# Altium PCB R3D900.PcbDoc
Units mil, origin at the board's own origin, x right, y up, seen from the top; angles counter-clockwise.
Board outline 3947.04 x 3947.04 mil, 2 copper layers (Top Layer, Bottom Layer); 111 components, 81 nets, 470 pads, 118 vias.
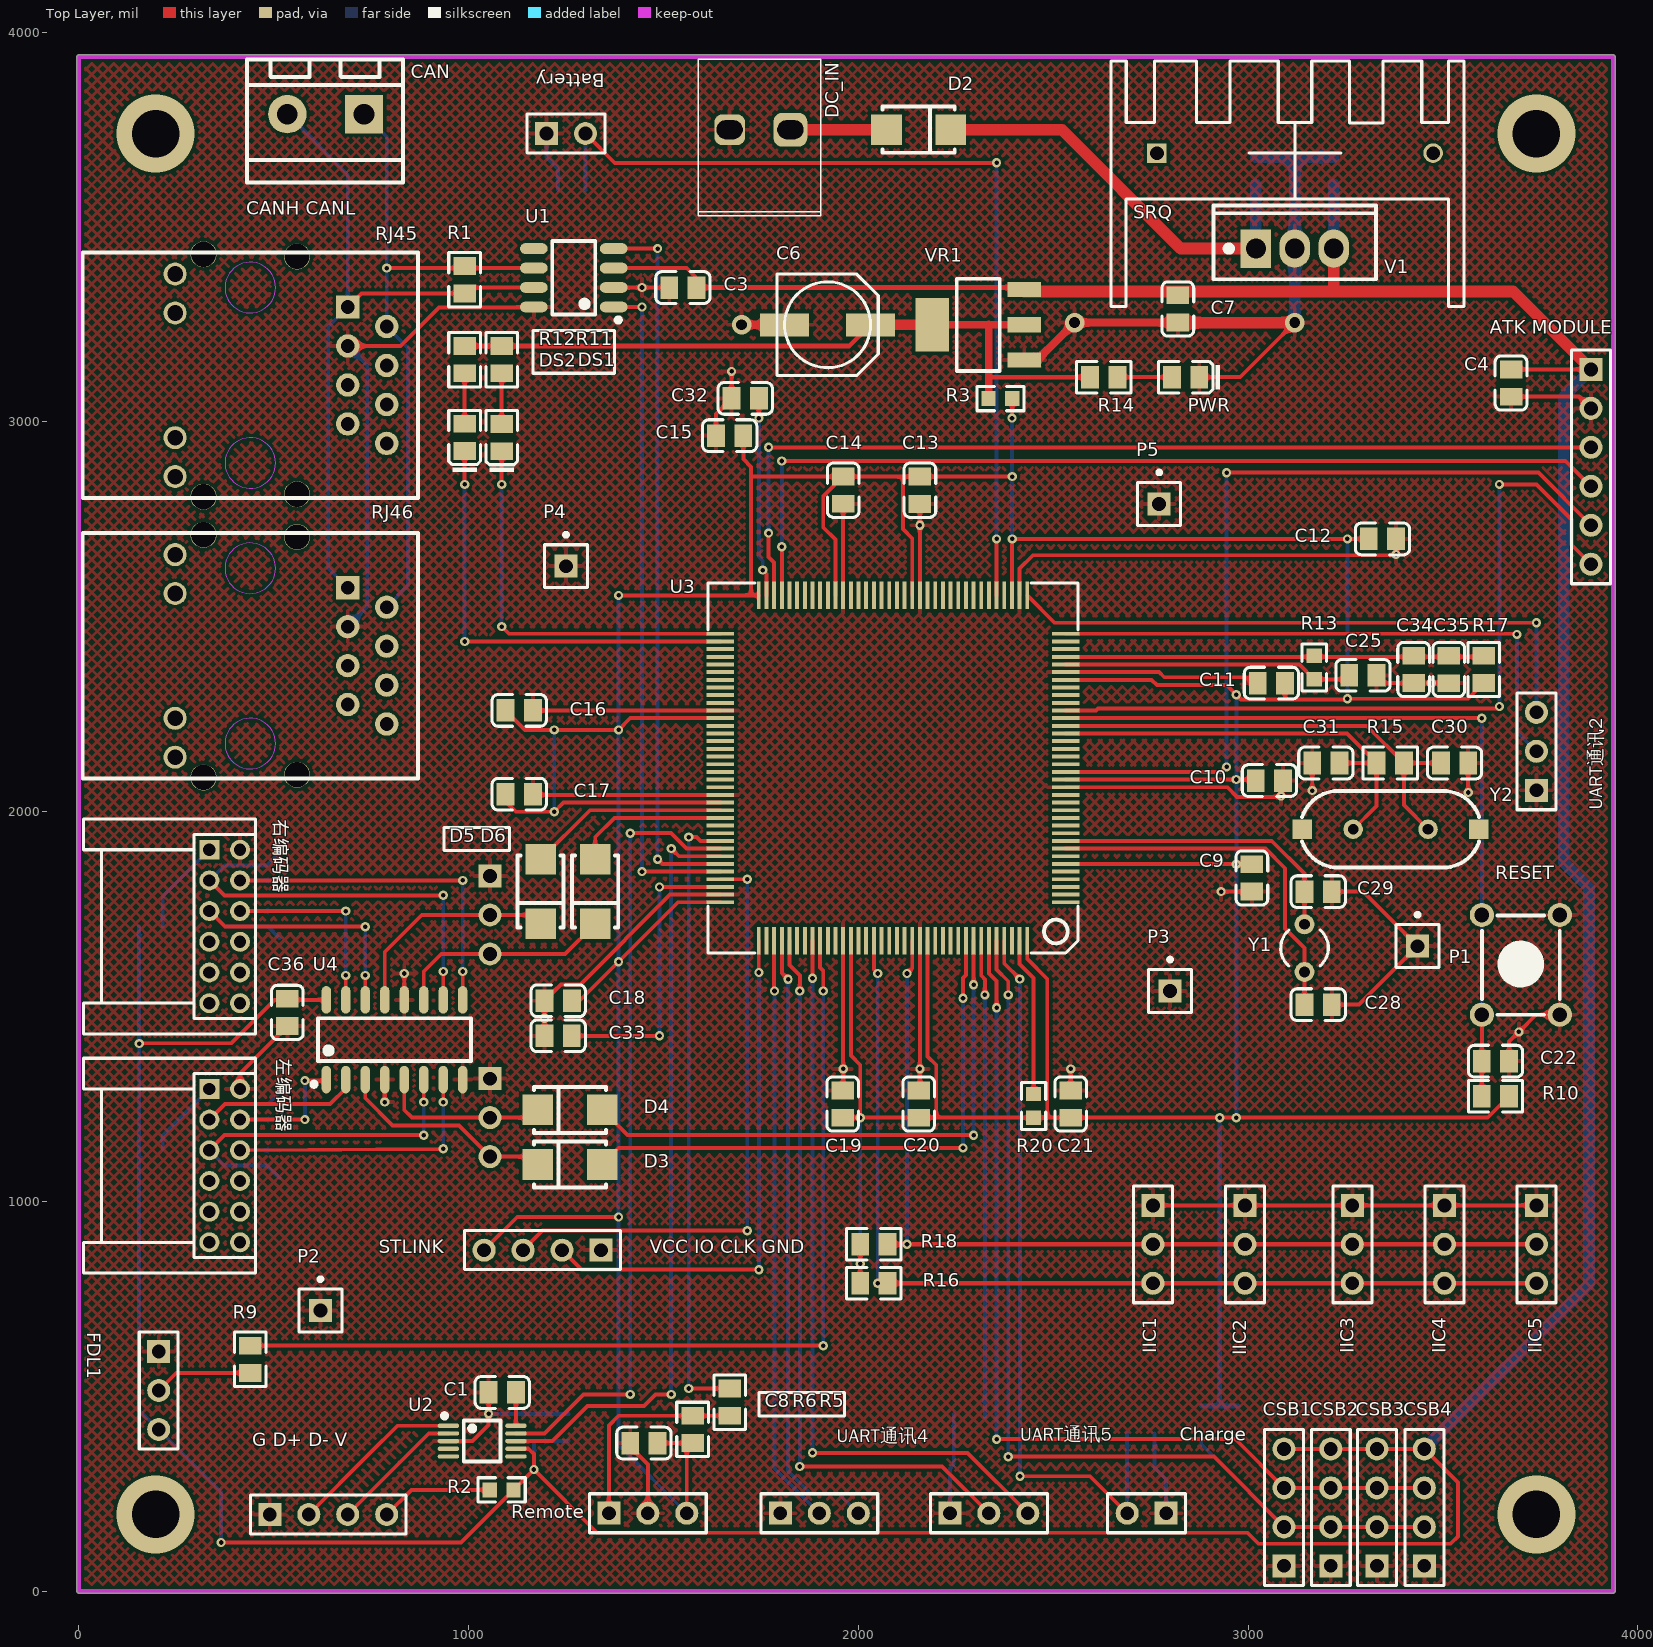
[diagram p0: Top Layer view]
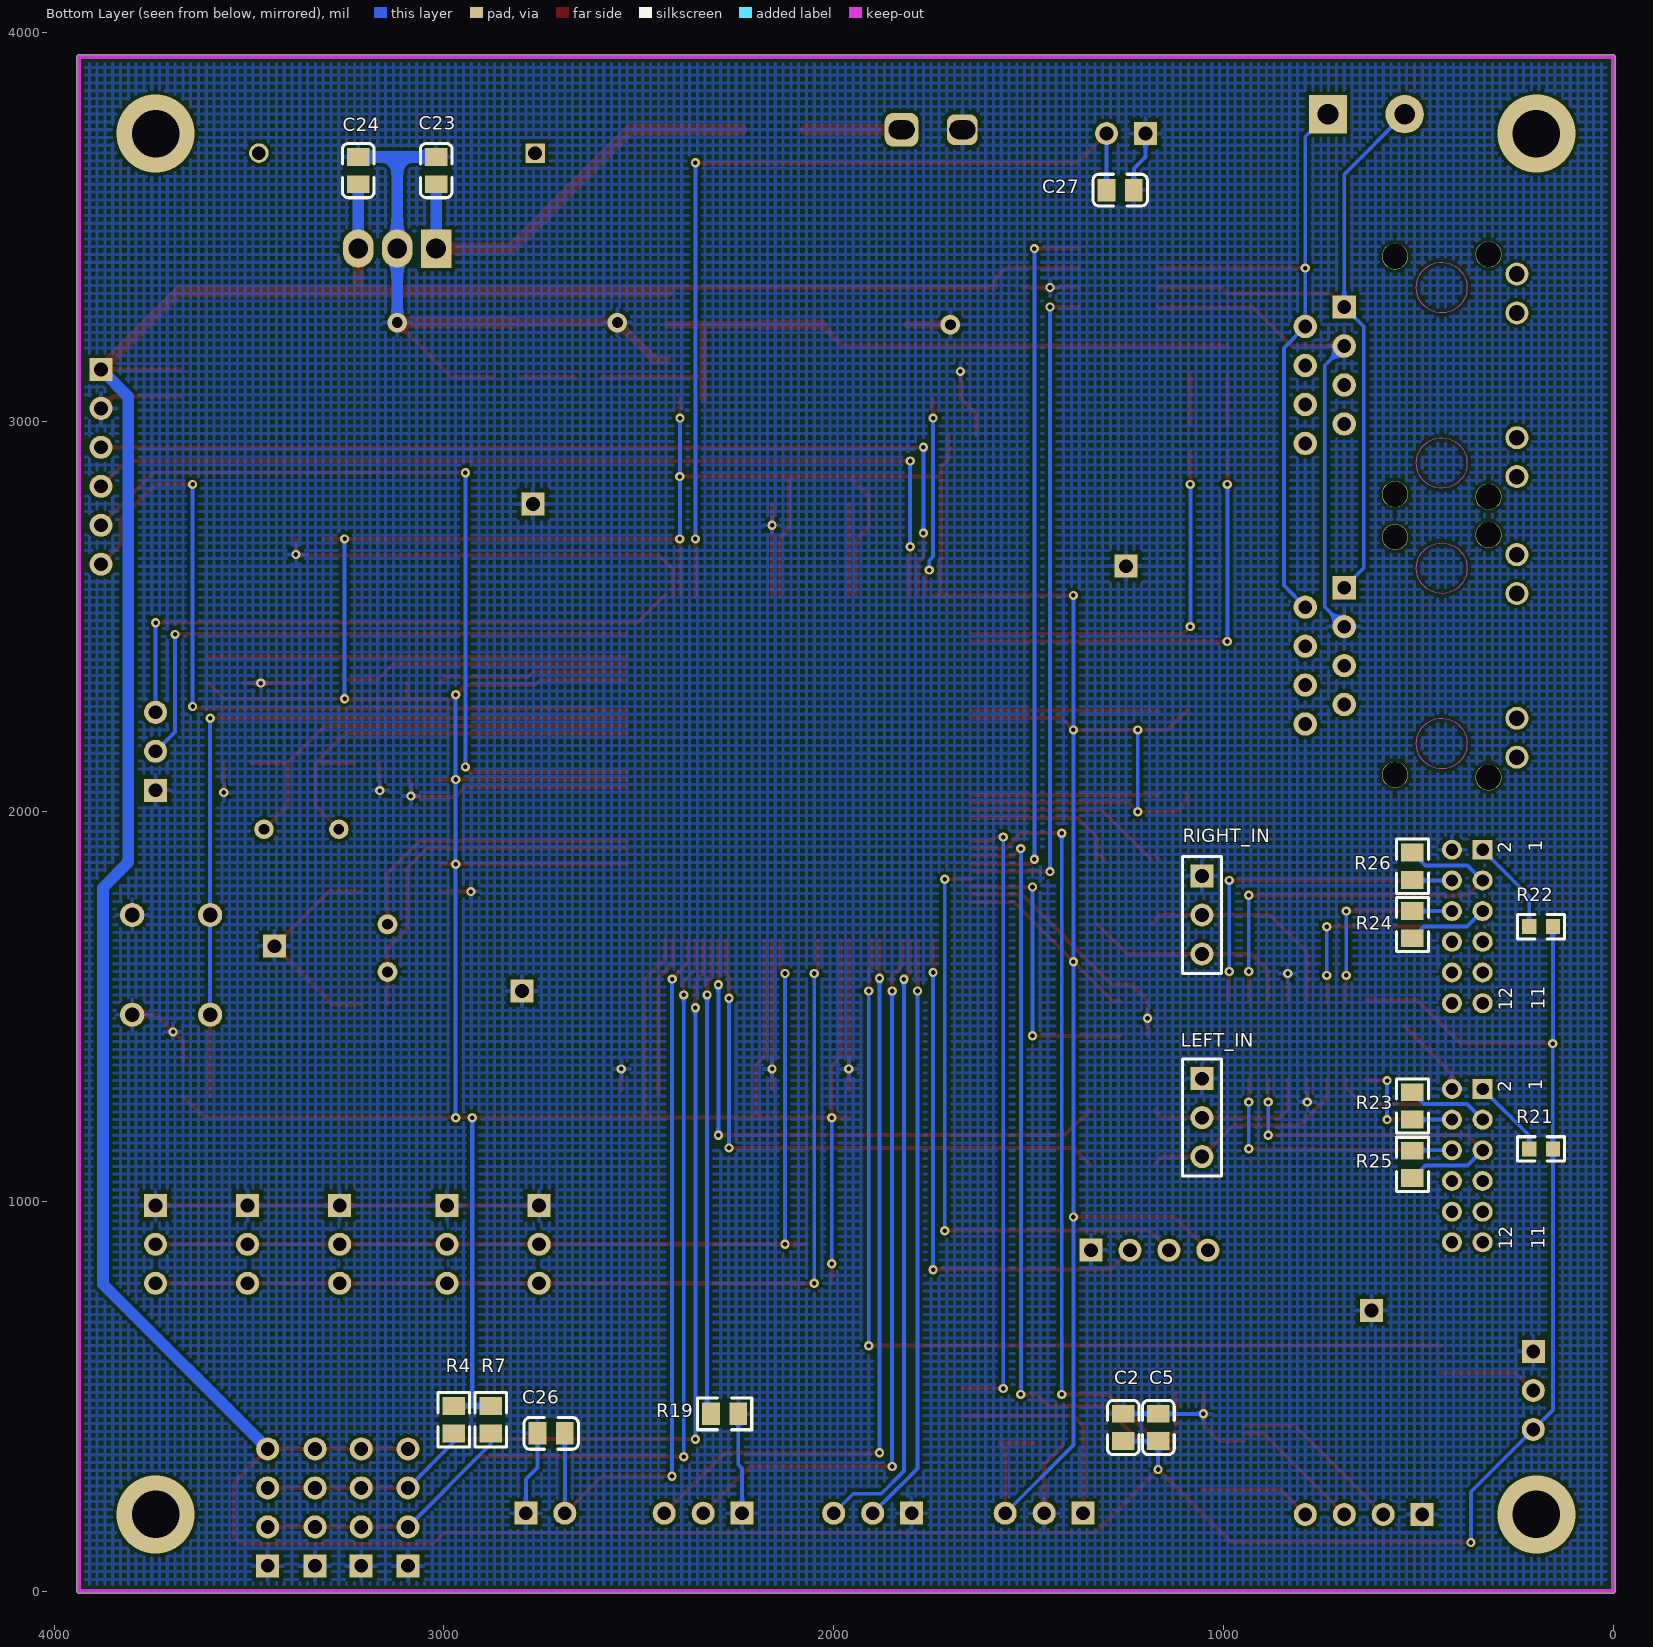
[diagram p1: Bottom Layer view, seen from below]
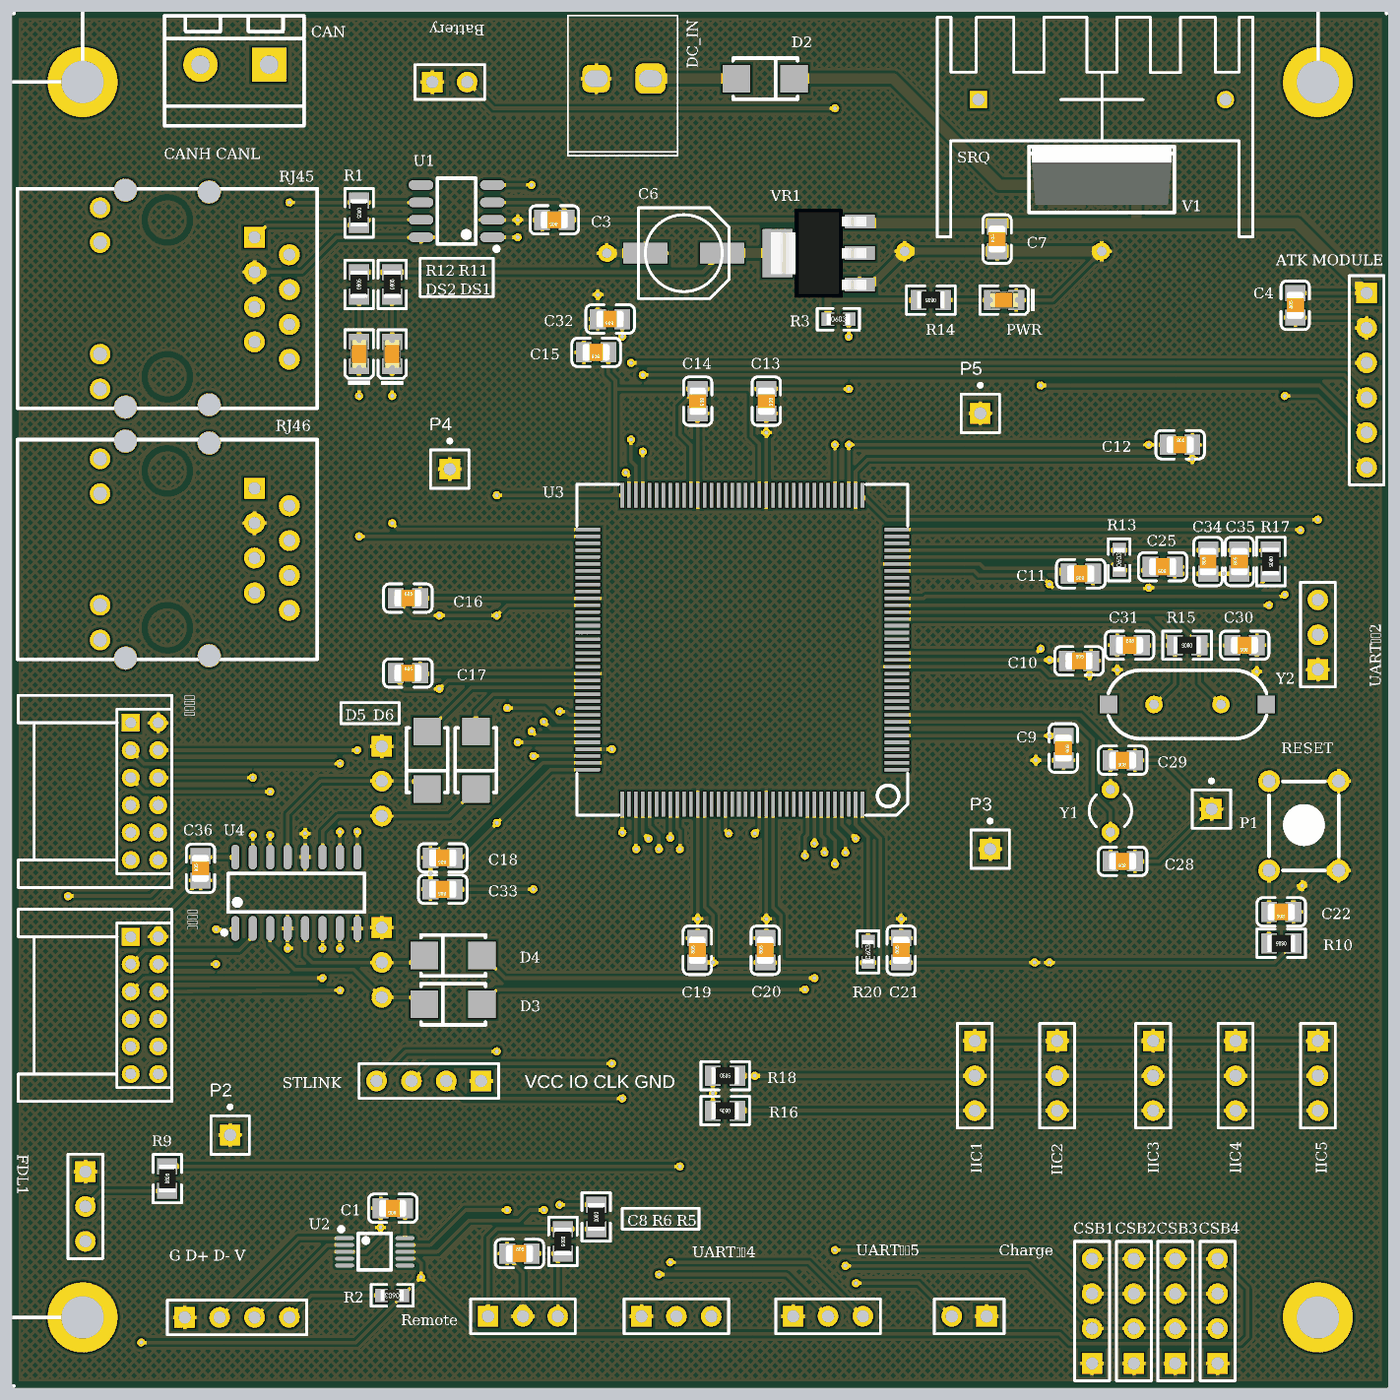
[diagram p2: 3D render of the assembled board from above, using the file's embedded part models]
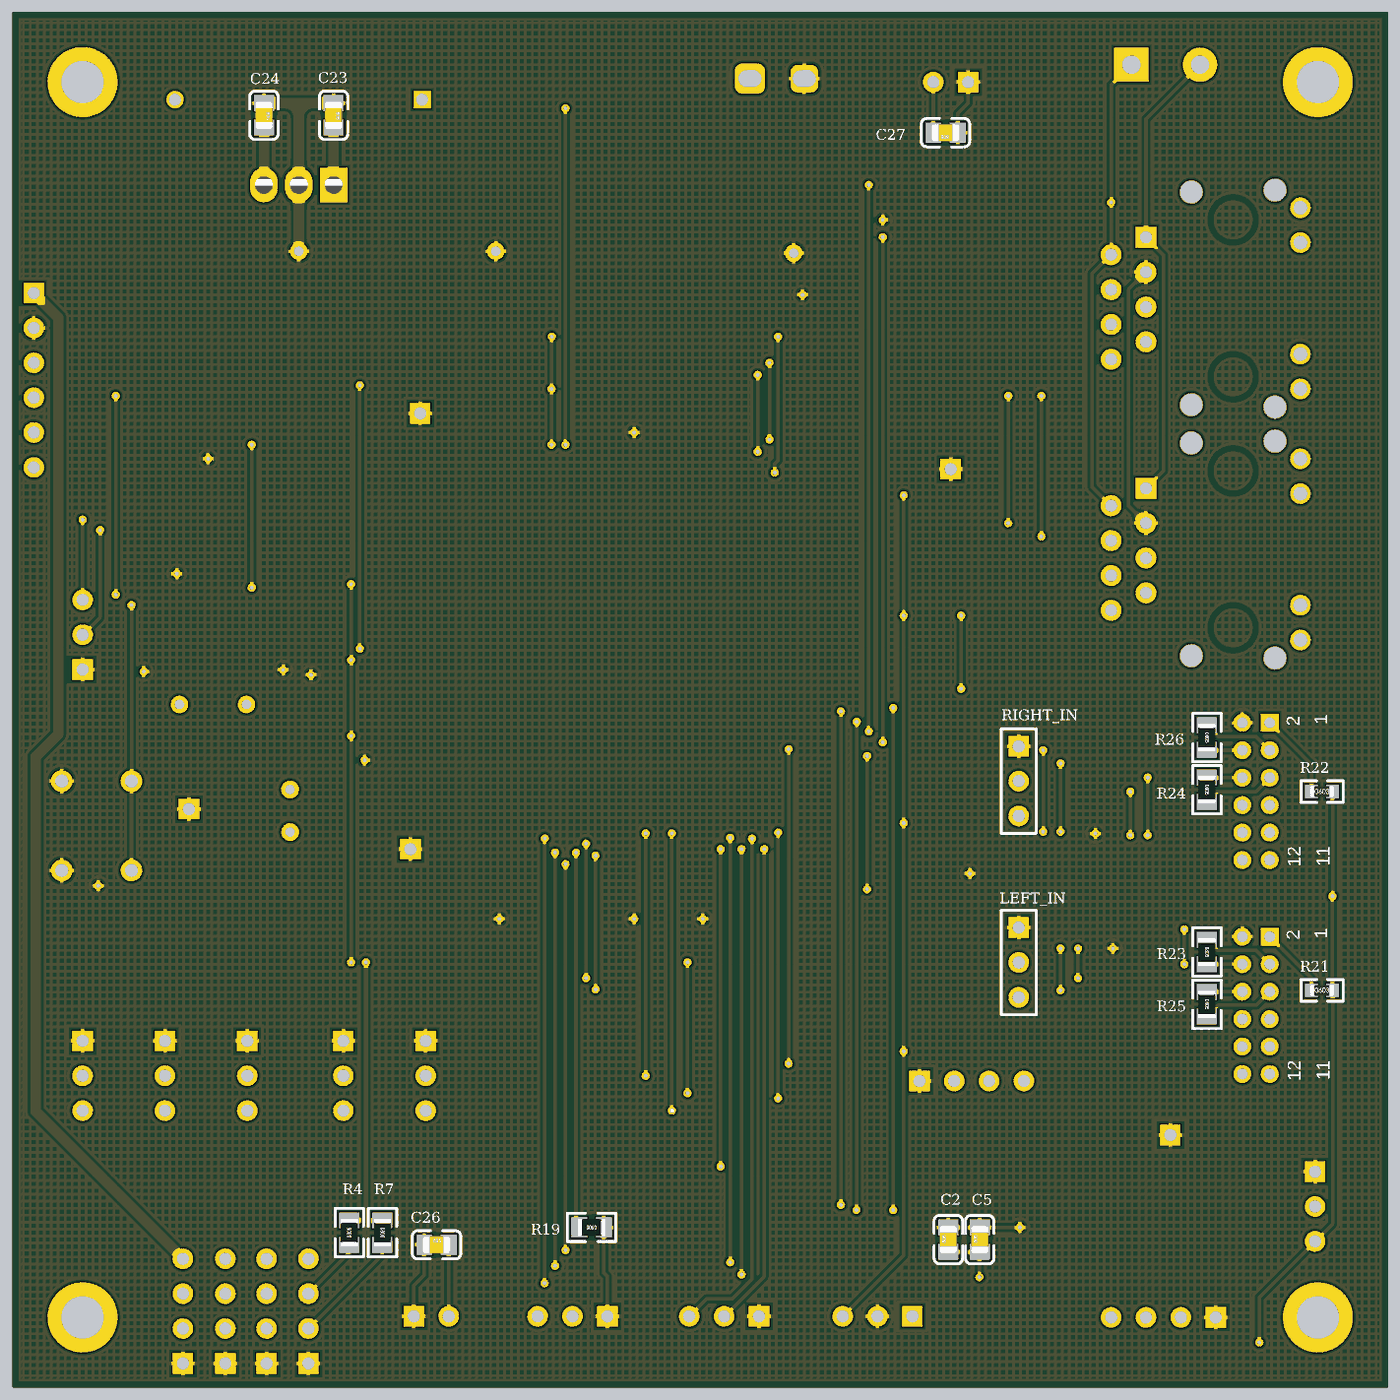
[diagram p3: 3D render of the assembled board from below, using the file's embedded part models]

## Layer stack, top to bottom
Top Solder: solder mask 0.4, Solder Resist, Dk 3.5
Top Layer: signal copper 1.4
Dielectric 1: dielectric 12.6, FR-4, Dk 4.8
Bottom Layer: signal copper 1.4
Bottom Solder: solder mask 0.4, Solder Resist, Dk 3.5

## Board outline
-5.02,0 ccw(c0,0) 0,-5.02 3937.01,-5.02 ccw(c3937.01,0) 3942.02,0 3942.02,3937.01 ccw(c3937.01,3937.01) 3937.01,3942.02 0,3942.02 ccw(c0,3937.01) -5.02,3937.01

## Design rules (kind name [scope] priority, off if disabled: settings)
Clearance [All] p1: gap=8 ignorepadtopadclearanceinfootprint=TRUE
PolygonConnect [All] p1: connectstyle=Relief reliefconductorwidth=10 reliefentries=4 polygonreliefangle="90 Angle" airgapwidth=10
RoutingVias [All] p1: holewidth=28 width=50 viastyle="Through Hole" minholewidth=28 minwidth=50 maxholewidth=28 maxwidth=50
SolderMaskExpansion [All] p1: expansion=4
Width [All] p1: maxlimit=30 minlimit=10 preferedwidth=10
30 further rules are at their usual default settings.

## Components (designator, comment, footprint, x,y, rotation, side; value= is the part's Value field where it differs from the comment)
"ATK MODULE" "Header 6" HDR1X6 3880,3135 r270 top
Battery "Header 2" HDR1X2 1200,3740.16 r0 top
C1 "100nF(104) 10% 50V" LC-0805_C 1086.57,509.96 r180 top
C2 "100nF(104) 10% 50V" LC-0805_C 1256.91,420.02 r90 bottom
C3 "100nF(104) 10% 50V" LC-0805_C 1550,3345 r180 top
C4 "100nF(104) 10% 50V" LC-0805_C 3675,3099.96 r90 top
C5 "10uF (106) 10% 25V" LC-0805_C 1166.91,420.02 r90 bottom
C6 "22uF" CC6.56.5 1921.26,3249.45 r180 top
C7 "10uF (106) 10% 25V" LC-0805_C 2820,3290 r90 top
C8 "100nF(104) 10% 50V" LC-0805_C 1450.04,380 r0 top
C9 "100nF(104) 10% 50V" LC-0805_C 3010,1830 r270 top
C10 "100nF(104) 10% 50V" LC-0805_C 3055,2080 r0 top
C11 "100nF(104) 10% 50V" LC-0805_C 3060,2330 r180 top
C12 "100nF(104) 10% 50V" LC-0805_C 3345,2700 r0 top
C13 "100nF(104) 10% 50V" LC-0805_C 2158.11,2825 r270 top
C14 "100nF(104) 10% 50V" LC-0805_C 1961.26,2825.04 r270 top
C15 "100nF(104) 10% 50V" LC-0805_C 1669.96,2965 r180 top
C16 "100nF(104) 10% 50V" LC-0805_C 1129.96,2260 r0 top
C17 "100nF(104) 10% 50V" LC-0805_C 1129.96,2045 r0 top
C18 "100nF(104) 10% 50V" LC-0805_C 1230.04,1515 r180 top
C19 "100nF(104) 10% 50V" LC-0805_C 1960,1250 r90 top
C20 "100nF(104) 10% 50V" LC-0805_C 2155,1250 r90 top
C21 "100nF(104) 10% 50V" LC-0805_C 2545,1250 r90 top
C22 "100nF(104) 10% 50V" LC-0805_C 3635,1360 r180 top
C23 "330nF (334) 10% 50V" LC-0805_C 3020,3645 r270 bottom
C24 "100nF(104) 10% 50V" LC-0805_C 3220,3645 r270 bottom
C25 "2.2uF (225) 20% 50V" LC-0805_C 3295,2350 r180 top
C26 "1uF (105) 10% 50V" LC-0805_C 2724.96,405 r180 bottom
C27 "1uF (105) 10% 50V" LC-0805_C 1265,3595 r0 bottom
C28 "1.0pF (010) 0.25pF 50V" LC-0805_C 3180,1505 r180 top
C29 "1.0pF (010) 0.25pF 50V" LC-0805_C 3180,1795 r180 top
C30 "22pF (220) 5% 50V" LC-0805_C 3529.96,2125 r180 top
C31 "22pF (220) 5% 50V" LC-0805_C 3199.92,2125 r0 top
C32 "2.2uF (225) 20% 50V" LC-0805_C 1709.96,3060.63 r180 top
C33 "2.2uF (225) 20% 50V" LC-0805_C 1229.96,1425 r180 top
C34 "10uF (106) 10% 25V" LC-0805_C 3425,2364.96 r90 top
C35 "100nF(104) 10% 50V" LC-0805_C 3515,2364.92 r90 top
C36 "1uF (105) 10% 50V" LC-0805_C 535,1485 r90 top
CAN "CAN" HEAD2L-0.8 731.85,3790 r180 top locked
Charge "Header 2" HDR1X2 2790,200 r180 top
CSB1 "Header 4" HDR1X4 3092.4,65 r90 top
CSB2 "Header 4" HDR1X4 3212.4,65 r90 top
CSB3 "Header 4" HDR1X4 3330.74,65 r90 top
CSB4 "Header 4" HDR1X4 3452.4,65 r90 top
D2 "SS210" LC-SMA(DO-214AC)_S1 2155,3750 r180 top locked
D3 "SS210" LC-SMA(DO-214AC)_S1 1260,1095 r0 top
D4 "SS210" LC-SMA(DO-214AC)_S1 1260,1235 r0 top
D5 "SS210" LC-SMA(DO-214AC)_S1 1185,1795 r90 top
D6 "SS210" LC-SMA(DO-214AC)_S1 1325,1795 r90 top
DC_IN "Header 2" "VH-2A - Circle Hole" 1825.91,3750 r180 top locked
DS1 "红灯 0805" LC-0805_LED_S1 1085,2960 r90 top
DS2 "翠绿 0805" LC-0805_LED_S1 990,2960.27 r90 top
FDL1 "Header 3" HDR1X3 205,615 r270 top
"G D+ D- V" "Header 4" HDR1X4 490,196.85 r0 top locked
IIC1 "Header 3" HDR1X3 2755.91,990 r270 top
IIC2 "Header 3" HDR1X3 2992.13,990 r270 top
IIC3 "Header 3" HDR1X3 3267.72,990 r270 top
IIC4 "Header 3" HDR1X3 3503.94,990 r270 top
IIC5 "Header 3" HDR1X3 3740.16,990 r270 top
LEFT_IN "Header 3" HDR1X3 1055,1315 r270 bottom
P1 "Plug" PIN1 3435,1655 r0 top
P2 "Plug" PIN1 620,720 r0 top
P3 "Plug" PIN1 2800,1540 r0 top
P4 "Plug" PIN1 1250.04,2630 r0 top
P5 "Plug" PIN1 2771.85,2789.96 r0 top
PWR "蓝灯 0805" LC-0805_LED_S1 2840,3115 r180 top
R1 "120Ω (1200) ±1%" LC-0805_R 990,3365 r270 top
R2 "1Ω (1R00) ±1%" LC-0603_R 1085,260 r180 top
R3 "0Ω (0R0) ±1%" LC-0603_R 2364.68,3060 r0 top
R4 "4.7KΩ (4701) ±1%" LC-0805_R 2975,440 r90 bottom
R5 "1KΩ (1001) ±1%" LC-0805_R 1670,485 r270 top
R6 "4.7KΩ (4701) ±1%" LC-0805_R 1575,415.04 r270 top
R7 "4.7KΩ (4701) ±1%" LC-0805_R 2880,440 r270 bottom
R9 "4.7KΩ (4701) ±1%" LC-0805_R 440,594.96 r90 top
R10 "10KΩ (1002) ±1%" LC-0805_R 3635,1270 r180 top
R11 "510KΩ (5103) ±1%" LC-0805_R 1085,3159.96 r90 top
R12 "510KΩ (5103) ±1%" LC-0805_R 990,3159.96 r90 top
R13 "0Ω (0R0) ±1%" LC-0603_R 3170,2370 r90 top
R14 "510KΩ (5103) ±1%" LC-0805_R 2630,3115 r180 top
R15 "1MΩ (1004) ±1%" LC-0805_R 3364.96,2125 r180 top
R16 "4.7KΩ (4701) ±1%" LC-0805_R 2040,790 r180 top
R17 "10Ω (10R0) ±1%" LC-0805_R 3605,2364.96 r270 top
R18 "4.7KΩ (4701) ±1%" LC-0805_R 2040,890 r0 top
R19 "10KΩ (1002) ±1%" LC-0805_R 2279.96,455 r0 bottom
R20 "0Ω (0R0) ±1%" LC-0603_R 2450,1245.32 r90 top
R21 "0Ω (0R0) ±1%" LC-0603_R 185,1135 r180 bottom
R22 "0Ω (0R0) ±1%" LC-0603_R 185,1705 r180 bottom
R23 "120Ω (1200) ±1%" LC-0805_R 515,1244.96 r270 bottom
R24 "120Ω (1200) ±1%" LC-0805_R 515,1710.49 r270 bottom
R25 "120Ω (1200) ±1%" LC-0805_R 515,1095 r270 bottom
R26 "120Ω (1200) ±1%" LC-0805_R 515,1860 r270 bottom
Remote "Header 3" HDR1X3 1360,200 r0 top
RESET "KEY_M" KEY_M 3600,1479.09 r90 top
RIGHT_IN "Header 3" HDR1X3 1055,1835 r270 bottom
RJ45 "RJ45" RJ45 440,2894.69 r90 top locked
RJ46 "RJ45" RJ45 440,2174.69 r90 top locked
SRQ "SRQ" Hot_Clear 3475,3690 r180 top locked
STLINK "Header 4" HDR1X4 1340,875 r180 top
U1 "CAN/TJA1050T/CM" LC-SOIC-8_150mil 1270,3370 r90 top
U2 "CH340E" LC-MSOP-10 1035,385 r270 top locked
U3 "STM32F407ZET6" LQFP144 2531.77,1767.62 r180 top locked
U4 "AM26LS32ACDRG4" LC-SOIC-16_150mil 810,1415 r0 top
UART通讯2 "Header 3" HDR1X3 3740,2055 r90 top (schematic designator UARTͨѶ2)
UART通讯4 "Header 3" HDR1X3 1800,200 r0 top (schematic designator UARTͨѶ4)
UART通讯5 "Header 3" HDR1X3 2235,200 r0 top (schematic designator UARTͨѶ5)
V1 "LM2940" LC-TO-220(TO-220-3) 3120,3445 r0 top locked
VR1 "AMS1117-3.3" LC-SOT-223 2307.83,3249.45 r0 top
Y1 "32.768K" R38 3145,1650 r180 top
Y2 "8MHz" XTAL_US 3462.09,1955 r180 top
右编码器 "HEADER_2X6" PHB_2x6_2.0 335,1902.48 r270 top locked
左编码器 "HEADER_2X6" PHB_2x6_2.0 335,1288.74 r270 top locked

## Footprints (in the part's own frame and the unit in brackets; to place one, negate y for a bottom-side part, rotate by r counter-clockwise, add the part's x,y. Pads: shape width x height; smd on the part's side, far side on the other; paste and mask are expansions set on the pad)
CC6.56.5 [mm]
  rect 3.2x1.5 smd: 1(-2.794,0) 2(2.8,0)
  silkscreen extent -3.3,-3.3 3.3,3.3
HDR1X2 [mm] "Connector; Header; 2 Position"
  rect 1.5x1.5 hole 0.9: 1(0,0)
  round 1.5 hole 0.9: 2(2.54,0)
  silkscreen extent -1.27,-1.27 3.81,1.27
HDR1X3 [mm] "Connector; Header; 3 Position"
  rect 1.5x1.5 hole 0.9: 1(0,0)
  round 1.5 hole 0.9: 2(2.54,0) 3(5.08,0)
  silkscreen extent -1.27,-1.27 6.35,1.27
HDR1X4 [mm] "Connector; Header; 4 Position"
  rect 1.5x1.5 hole 0.9: 1(0,0)
  round 1.5 hole 0.9: 2(2.54,0) 3(5.08,0) 4(7.62,0)
  silkscreen extent -1.27,-1.27 8.89,1.27
HDR1X6 [mm] "Connector; Header; 6 Position"
  rect 1.5x1.5 hole 0.9: 1(0,0)
  round 1.5 hole 0.9: 2(2.54,0) 3(5.08,0) 4(7.62,0) 5(10.16,0) 6(12.7,0)
  silkscreen extent -1.27,-1.27 13.97,1.27
HEAD2L-0.8 [mm]
  rect 2.5x2.5 hole 1.35: 1(0,0)
  round 2.5 hole 1.35: 2(5,0)
  silkscreen extent -2.54,-3.56 7.62,4.45
Hot_Clear [mil] "散热片"
  rect 50x50 hole 35: 1(708.66,0)
  round 50 hole 35: 2(0,0)
  silkscreen extent -79,-236 827,394, body extent -79,-236 827,394, height 984